# Altium PCB precursor_pvt2b.PcbDoc (part 6 of 7)
Units mm, origin at the board's own origin, x right, y up, seen from the top; angles counter-clockwise.
Board outline 62.8 x 62.65 mm, 6 copper layers (L1, L2, L3, L6, L7, L8), stack 0.693 mm thick; 424 components, 311 nets, 2038 pads, 2293 vias.
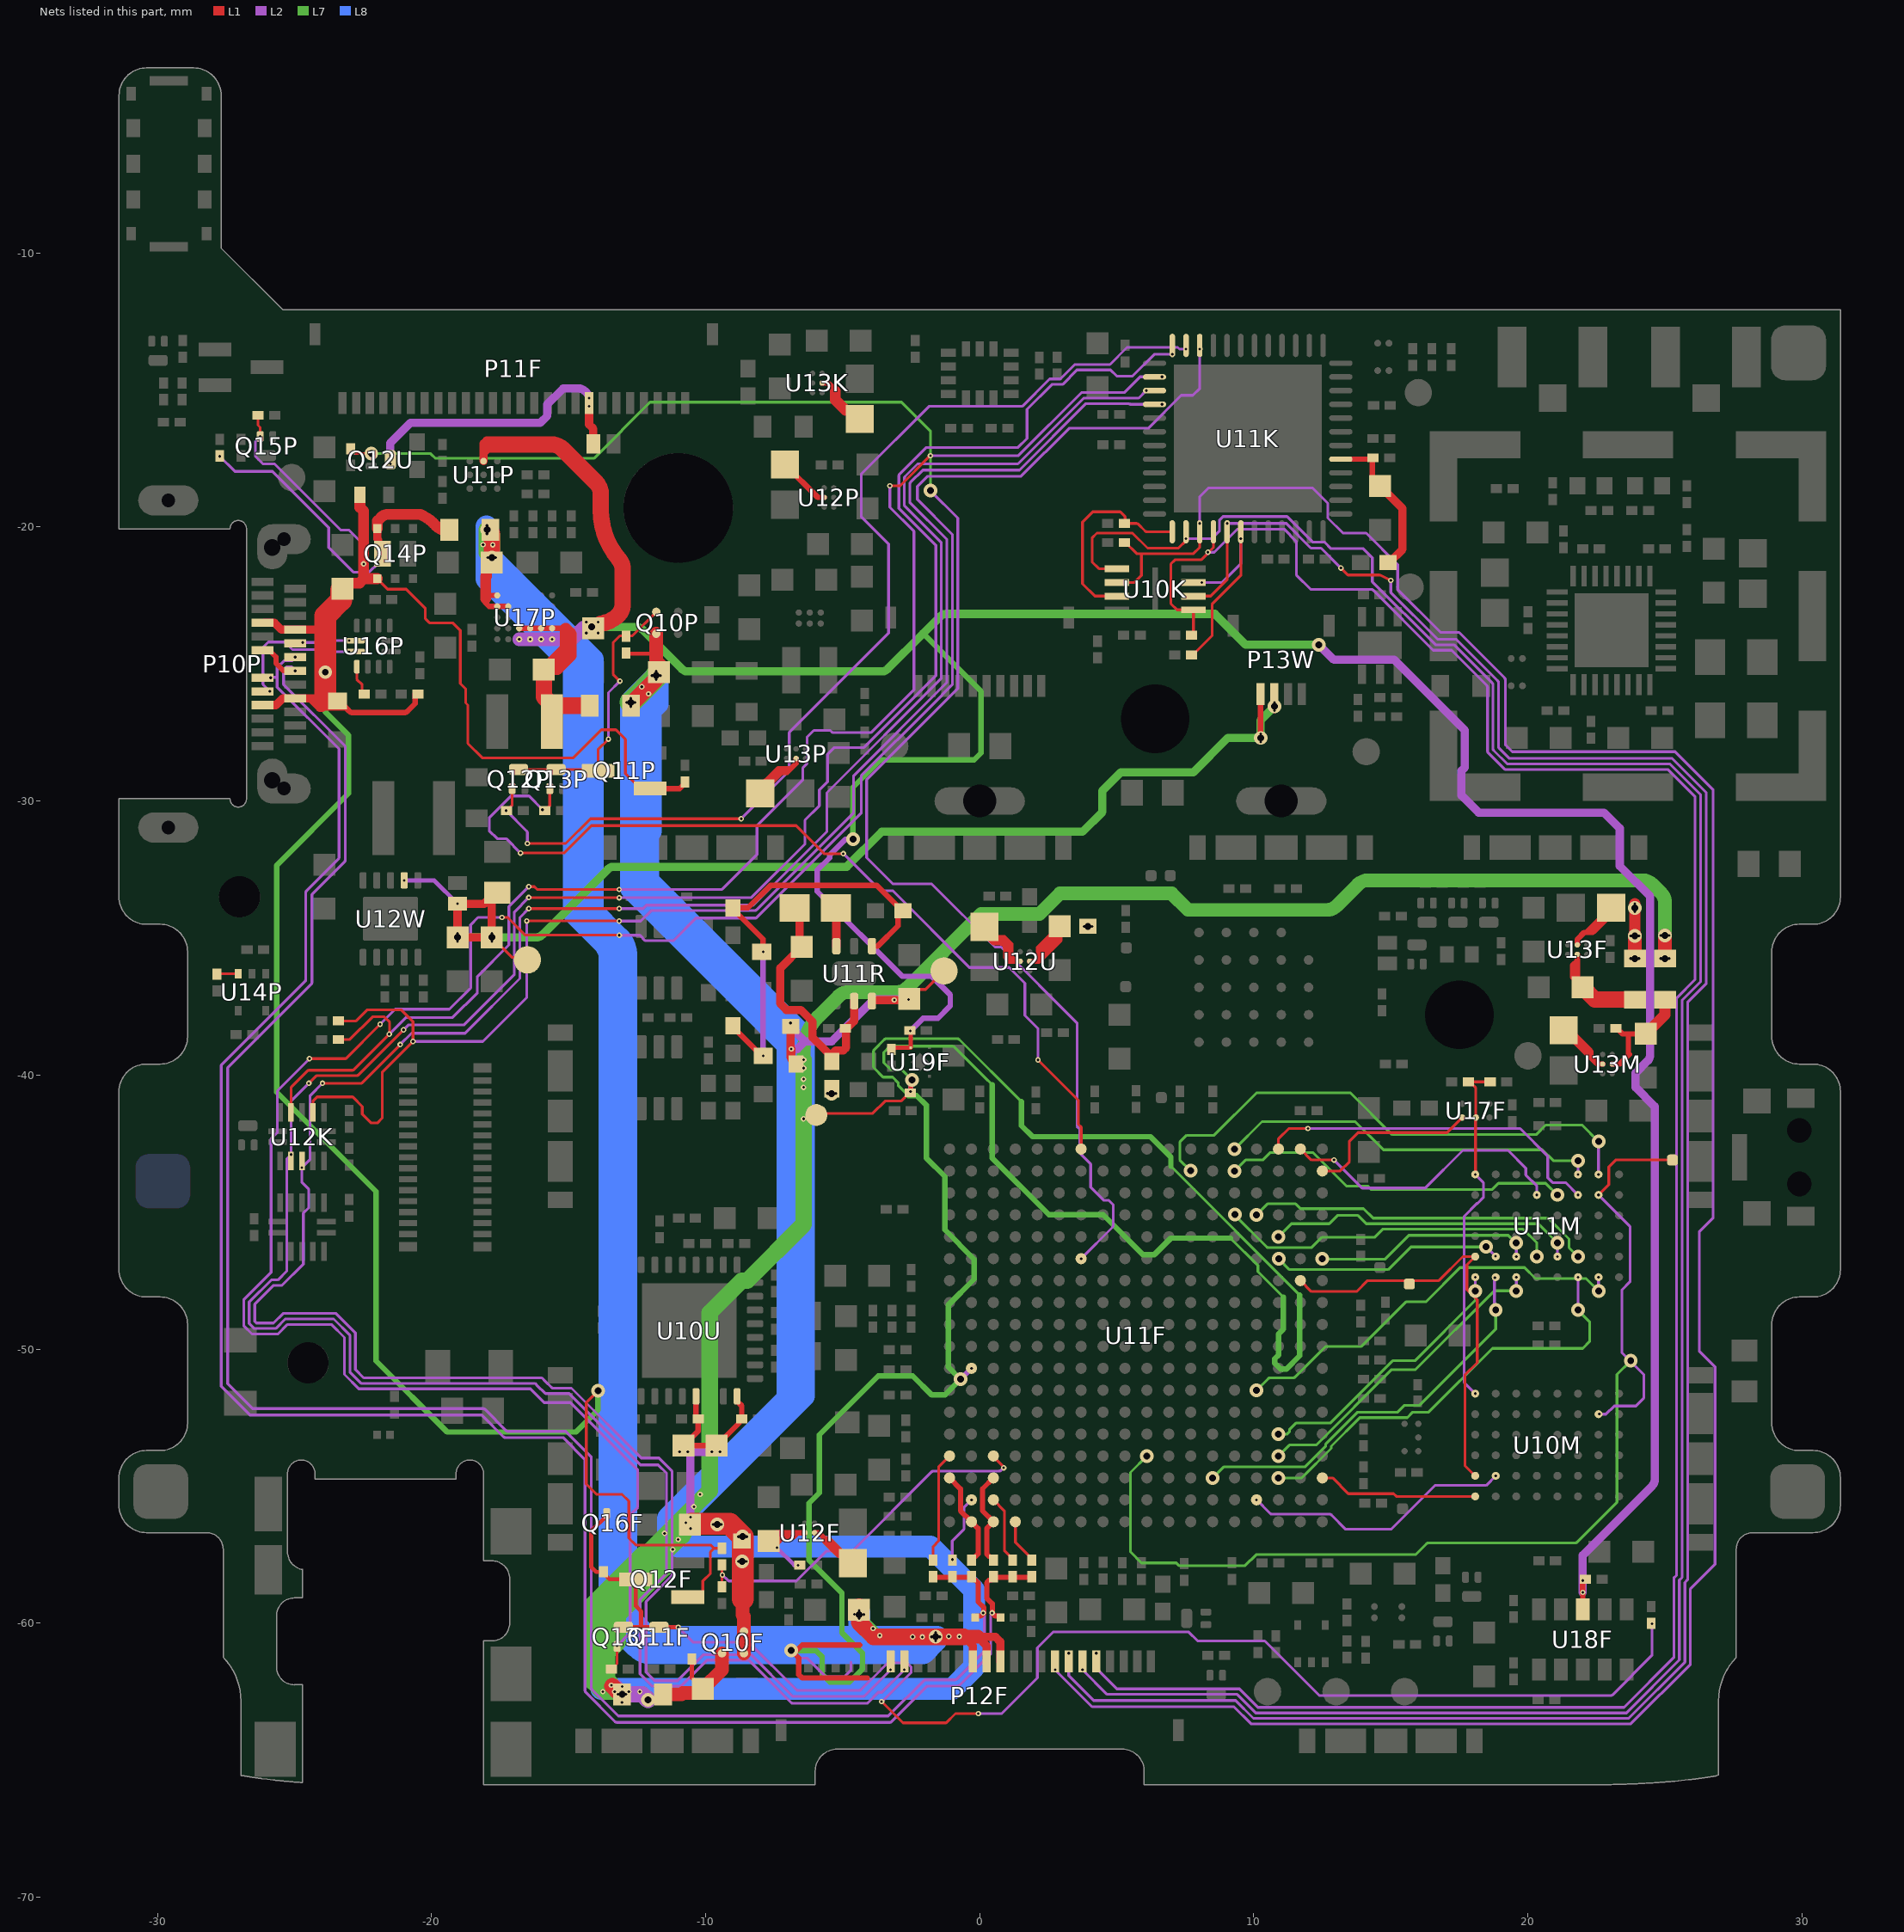
[diagram p10: the nets of this part, all layers, seen from the top]

## Via types
v1: diameter 0.2, hole 0.1, L1 to L2, tented both sides, 1440 vias
v2: diameter 0.5, hole 0.25, L2 to L7, tented both sides, 638 vias
v3: diameter 0.2, hole 0.1, L7 to L8, tented both sides, 179 vias
v4: diameter 0.5, hole 0.25, L1 to L8, 25 vias
v5: diameter 0.5, hole 0.25, L1 to L8, tented top, 5 vias
v6: diameter 0.5, hole 0.2, L1 to L8, 4 vias
v7: diameter 0.4, hole 0.25, L1 to L8, 2 vias

## Nets (pads, with @x,y where several pads share a name; then routed paths per layer and width w, separated by ;. In a path a pad name is that pad's centre, name@x,y a point inside that pad or via, vN(x,y) a via of type N, cw(c..) or ccw(c..) an arc to the next point about the centre after c; other vN are vias at no path point) (continued)
SRAM_D19: U11F.U18 U11M.D5 | length 10.8
  L1 w0.1: U11F.U18@11.7,-42.7 12.1,-43.1 v1(12.925,-43.1)
  L2 w0.1: v1(12.925,-43.1) 13.95,-44.125 16.25,-44.125 17.625,-42.75 19.275,-42.75 19.925,-43.4 19.925,-43.65 20.325,-44.05 v1(20.325,-44.375)
SRAM_D20: U11F.P17 U11M.E5 | length 12.9
  L7 w0.1: v2(9.3,-43.5) 9.7,-43.1 10.325,-43.1 10.6,-42.825 12.15,-42.825 13.375,-44.05 14.15,-44.05 14.275,-44.175 18.7,-44.175 18.925,-43.95 20.65,-43.95 v2(21.075,-44.375)
  other v1: 21.075,-44.375 9.3,-43.5
SRAM_D21: U11F.T18 U11M.F5 | length 12.9
  L1 w0.1: U11F.T18@10.9,-42.7 10.9,-42.325 11.275,-41.95 v1(11.975,-41.95)
  L2 w0.1: v1(11.975,-41.95) 12.525,-41.95 19.716,-41.95 20.725,-42.959 20.725,-43.75 20.9,-43.925 21.375,-43.925 v1(21.825,-44.375)
SRAM_D22: U11F.P18 U11M.F6 | length 14
  L2 w0.1: v1(21.825,-43.625) v2(21.825,-43.125)
  L7 w0.1: v2(9.3,-42.7) 10.3,-41.7 13.7,-41.7 14.725,-42.725 20.525,-42.725 20.925,-43.125 v2(21.825,-43.125)
  other v1: 9.3,-42.7
SRAM_D23: U11F.M17 U11M.G6 | length 19.5
  L2 w0.1: v1(22.575,-43.625) v2(22.575,-42.425)
  L7 w0.1: v2(7.7,-43.484) 7.684,-43.484 7.3,-43.1 7.3,-42.45 7.55,-42.2 8.55,-42.2 10.1,-40.65 13.525,-40.65 15.05,-42.175 20.3,-42.175 20.65,-41.825 21.975,-41.825 v2(22.575,-42.425)
  other v1: 7.7,-43.5
SRAM_D24: U11F.N3 U11M.B1 | length 14.5
  L2 w0.1: v1(18.794,-47.391) 18.775,-47.41 18.775,-48.525 v2(18.825,-48.575)
  L7 w0.1: v2(8.5,-54.7) 8.9,-54.3 11.866,-54.3 12.625,-53.541 12.625,-53.461 13.786,-52.3 15.25,-52.3 15.5,-52.05 16.05,-52.05 18.825,-49.275 v2(18.825,-48.575)
  other v1: 8.5,-54.7
SRAM_D25: U11F.T4 U11M.C1 | length 11.7
  L2 w0.1: v2(19.575,-47.875) v1(19.575,-47.375)
  L7 w0.1: v2(10.9,-53.9) 11.3,-53.5 12.275,-53.5 15.025,-50.75 15.9,-50.75 18.775,-47.875 v2(19.575,-47.875)
  other v1: 10.9,-53.9
SRAM_D26: U11F.V13 U11M.C2 | length 8.1
  L2 w0.1: v1(19.575,-46.625) v2(19.575,-46.125)
  L7 w0.1: v2(12.5,-46.7) 12.525,-46.725 14.775,-46.725 15.65,-45.85 19.284,-45.85 19.559,-46.125 v2(19.575,-46.125)
  other v1: 12.5,-46.7
SRAM_D27: U11F.P15 U11M.D2 | length 12.5
  L7 w0.1: v2(9.308,-45.092) 9.308,-45.108 10.471,-46.271 ccw(c10.541,-46.2) 10.541,-46.3 12.1,-46.3 12.475,-45.925 14.4,-45.925 14.7,-45.625 19.825,-45.625 20.325,-46.125 v2(20.325,-46.625)
  other v1: 20.325,-46.625 9.3,-45.1
SRAM_D28: U11F.T14 U11M.E2 | length 11.4
  L2 w0.1: v1(21.075,-46.625) v2(21.075,-46.125)
  L7 w0.1: v2(10.9,-45.9) 11.375,-45.425 12.75,-45.425 13.05,-45.125 13.8,-45.125 14.1,-45.425 20.375,-45.425 v2(21.075,-46.125)
  other v1: 10.9,-45.9
SRAM_D29: U11F.R15 U11M.F2 | length 12.9
  L7 w0.1: v2(10.1,-45.1) 10.5,-44.7 11.525,-44.7 11.7,-44.875 14,-44.875 14.35,-45.225 20.741,-45.225 21.5,-45.984 21.5,-46.3 v1(21.825,-46.625)
  other v1: 10.1,-45.1
  other v2: 21.825,-46.625
SRAM_D30: U11F.T3 U11M.F1 | length 16
  L2 w0.1: v2(21.825,-48.575) v1(21.825,-47.375)
  L7 w0.1: v2(10.9,-54.7) 11.749,-54.7 12.825,-53.624 12.825,-53.544 13.869,-52.5 15.6,-52.5 15.8,-52.3 16.381,-52.3 18.706,-49.975 22,-49.975 22.25,-49.725 22.25,-49 v2(21.825,-48.575)
  other v1: 10.9,-54.7
SRAM_D31: U11F.R7 U11M.G1 | length 15.2
  L2 w0.1: v2(22.575,-47.875) v1(22.575,-47.375)
  L7 w0.1: v1(10.1,-51.5) 10.52,-51.08 cw(c10.591,-51.15) 10.592,-51.05 11.434,-51.05 ccw(c11.434,-50.95) 11.504,-51.021 12.625,-49.9 13.925,-49.9 15.55,-48.275 16.275,-48.275 17.525,-47.025 19.875,-47.025 20.275,-47.425 22.125,-47.425 v2(22.575,-47.875)
  other v2: 10.1,-51.5
SRAM_DM0: U10M.A1 U11F.V3 | length 5.9
  L1 w0.1: U11F.V3@12.5,-54.7 12.875,-54.7 13.45,-55.275 15.1,-55.275 15.2,-55.375 U10M.A1@18.075,-55.375
SRAM_DM1: U10M.B2 U11F.R2 | length 10
  L2 w0.1: v1(10.1,-55.5) 10.596,-55.996 ccw(c10.666,-55.925) 10.666,-56.025 12.759,-56.025 cw(c12.759,-56.125) 12.829,-56.054 13.35,-56.575 15.006,-56.575 16.606,-54.975 18.475,-54.975 v1(18.825,-54.625)
SRAM_DM2: U11F.T5 U11M.A1 | length 10.1
  L2 w0.1: v2(18.075,-47.875) v1(18.075,-47.375)
  L7 w0.1: v2(10.9,-53.1) 11.217,-53.1 11.3,-53.017 11.3,-52.934 11.534,-52.7 12.791,-52.7 15.066,-50.425 15.875,-50.425 18.075,-48.225 v2(18.075,-47.875)
  other v1: 10.9,-53.1
SRAM_DM3: U11F.T13 U11M.B2 | length 8.6
  L2 w0.1: v2(18.471,-46.271) 18.807,-46.607 v1(18.821,-46.607)
  L7 w0.1: v2(10.916,-46.7) 10.916,-46.716 11.3,-47.1 14.9,-47.1 15.729,-46.271 v2(18.471,-46.271)
  other v1: 10.9,-46.7
SRAM_OE_N: J16M.1 U10M.A2 U11F.U12 U11M.A2 | length 15.7
  L1 w0.1: U11F.U12@11.7,-47.5 12.1,-47.9 13.75,-47.9 14.15,-47.5 16.75,-47.5 17.625,-46.625 U11M.A2@18.075,-46.625 17.775,-46.925 17.775,-47.825 18.15,-48.2 18.15,-50.5 17.7,-50.95 17.7,-54.25 U10M.A2@18.075,-54.625
SRAM_WE_N: J15M.1 U10M.G5 U11F.K4 U11M.G5 | length 42.5
  L1 w0.1: v1(22.575,-44.375) 22.95,-44 22.95,-43.35 23.2,-43.1 J15M.1@25.275,-43.1
  L2 w0.1: v1@22.575,-52.375 22.85,-52.375 23.15,-52.075 ; v1(22.575,-44.375) 23.725,-45.525 23.725,-47.55 23.425,-47.85 23.425,-50.125 24.225,-50.925 24.225,-51.791 23.941,-52.075 23.15,-52.075 ; v1(22.603,-52.363) 22.862,-52.363 23.15,-52.075
  L7 w0.1: v1(6.1,-53.9) 5.5,-54.5 5.5,-57.4 5.9,-57.8 7.167,-57.8 7.267,-57.9 9.683,-57.9 10.083,-57.5 15.9,-57.5 16.295,-57.105 cw(c16.366,-57.176) 16.366,-57.076 21.721,-57.076 ccw(c21.721,-56.976) 21.792,-57.047 23.25,-55.588 23.25,-50.925 v2(23.75,-50.425)
  other v2: 6.1,-53.9
SRAM_ZZ_N: U11F.V17 U17F.A1 | length 6.3
  L1 w0.1: U11F.V17@12.5,-43.5 13.15,-43.5 13.487,-43.163 13.487,-42.413 13.8,-42.1 17.05,-42.1 U17F.A1@17.6,-41.55
SRAM_ZZ_N_1.8: R10M.2 R12M.1 U10M.A6 U11M.A6 U17F.B1 | length 12.8
  L1 w0.1: R10M.2@17.85,-40.25 R10M.2@17.875,-40.25 ; v1(18.075,-43.625) 18.088,-43.612 18.088,-41.562 U17F.B1@18.1,-41.55 18.1,-40.475 R10M.2@17.875,-40.25 ; R12M.1@18.6,-40.25 R10M.2@17.875,-40.25
  L2 w0.1: v1(18.075,-51.625) 17.675,-51.225 17.675,-45.15 18.136,-44.689 18.157,-44.689 18.375,-44.471 18.375,-43.925 v1(18.075,-43.625)
SW_0.95V: L12F.1 U12F.B2 | length 3.3
  L1 w0.2: U12F.B2@-6.025,-56.7 -5.875,-56.7 -5.65,-56.925 ; -5.65,-56.925 -5.65,-57.025 -5.15,-57.525 -4.91,-57.525 L12F.1@-4.625,-57.81 -4.625,-57.805 -5.505,-56.925 -5.65,-56.925
SW_1.2V: L10K.1 U13K.B2 | length 2.1
  L1 w0.2: U13K.B2@-5.75,-14.75 -5.608,-14.75 cw(c-5.608,-14.95) -5.466,-14.809 -5.251,-15.024
  L1 w0.4: -5.267,-15.04 -5.267,-15.368 -4.891,-15.745 -4.685,-15.745 -4.375,-16.055 L10K.1@-4.375,-16.06
SW_1.8V: L11P.1 U12P.B2 | length 1.9
  L1 w0.2: L11P.1@-7.1,-17.725 -7.1,-17.73 -5.905,-18.925 U12P.B2@-5.675,-18.925
SW_1.8V_F: L13F.1 U13F.B2 | length 3.1
  L1 w0.2: U13F.B2@21.8,-35.25 21.8,-35.05 22.05,-34.8 22.13,-34.8 ; L13F.1@22.914,-34.016 22.722,-34.207 22.13,-34.8 ; L13F.1@23.035,-33.9 22.975,-33.96 ccw(c23.116,-34.102) 22.916,-34.102 22.916,-34.171 cw(c22.716,-34.171) 22.857,-34.313 22.429,-34.741 cw(c22.287,-34.6) 22.287,-34.8 22.13,-34.8
SW_1.8V_SBY: L10M.1 U13M.B2 | length 3.5
  L1 w0.2: U13M.B2@22.725,-39.6 22.613,-39.6 cw(c22.613,-39.4) 22.471,-39.541 22.297,-39.367 ; 22.297,-39.367 22.297,-39.213 ccw(c22.097,-39.213) 22.239,-39.072 21.736,-38.568 ccw(c21.594,-38.709) 21.594,-38.509 21.527,-38.509 cw(c21.527,-38.309) 21.386,-38.451 L10M.1@21.3,-38.365 21.3,-38.37 21.442,-38.512 21.607,-38.677 22.154,-39.224 22.297,-39.367
SW_3.3V: L12P.1 U13P.B2 | length 3.8
  L1 w0.2: L12P.1@-7.7,-29.415 -7.7,-29.175 ; U13P.B2@-6.7,-28.45 -6.7,-28.625 -6.9,-28.825 ; -7.7,-29.175 -7.834,-29.309 ccw(c-7.693,-29.451) -7.893,-29.451 -7.893,-29.608 L12P.1@-8.01,-29.725 -8.005,-29.725 -7.89,-29.61 -7.698,-29.418 -7.23,-28.95 -7.025,-28.95 -6.9,-28.825 ; -7.7,-29.175 -7.35,-28.825 -6.9,-28.825
SW_3.3VA: L12U.1 U12U.B2 | length 3.7
  L1 w0.2: L12U.1@0.175,-34.59 0.585,-35 0.9,-35 1.125,-35.225 1.125,-35.675 1.3,-35.85 ; L12U.1@0.25,-34.925 0.441,-35.116 ccw(c0.583,-34.975) 0.583,-35.175 0.75,-35.175 cw(c0.75,-35.375) 0.95,-35.375 0.95,-35.642 ccw(c1.15,-35.642) 1.009,-35.784 1.075,-35.85 1.3,-35.85 ; U12U.B2@1.475,-35.85 1.3,-35.85
SYS_OFF: Q10P.1 Q11P.3 Q12P.3 Q13P.3 R24P.1 | length 10.1
  L1 w0.1: Q12P.3@-16.825,-28.85 Q13P.3@-15.455,-28.85 -13.975,-28.85 Q11P.3@-13.925,-28.9 -13.925,-28.125 v1(-13.544,-27.744) ; v1(-13.125,-25.625) -13.375,-25.375 -13.375,-24.225 -13.125,-23.975 -12.9,-23.975 -12.675,-23.975 Q10P.1@-11.8,-23.1
  L2 w0.1: v1(-13.544,-27.744) -13.544,-26.044 v1(-13.125,-25.625)
SYS_ON: Q12P.1 R26P.2 U11K.47 | length 39.6
  L1 w0.1: R26P.2@-17.28,-30.35 -17.255,-30.35 -17.055,-30.15 Q12P.1@-17.055,-29.55 ; v1(-16.5,-31.55) -15.1,-31.55 -14.2,-30.65 v1(-8.7,-30.65)
  L2 w0.1: v1(-17.275,-30.35) -16.53,-31.095 cw(c-16.6,-31.166) -16.5,-31.166 ; v1(-16.5,-31.55) -16.5,-31.166 ; v1(-8.7,-30.65) -6.95,-28.9 -6.95,-27.5 -3.325,-23.875 -3.325,-20.625 -4.325,-19.625 -4.325,-18.075 -1.85,-15.6 1.55,-15.6 2.55,-14.6 2.941,-14.6 3.466,-14.075 4.75,-14.075 5.375,-13.45 7.225,-13.45 7.287,-13.512 v1(7.522,-13.512)
T_OFF: Q11F.3 Q12F.3 Q13F.3 Q16F.2 R29F.2 R36F.1 | length 52.7
  L1 w0.1: v1(-3.579,-62.861) -2.799,-63.641 -1.226,-63.641 -0.885,-63.3 v1(-0.05,-63.3)
  L1 w0.15: Q16F.2@-13.605,-56 -13.605,-56.075 -14.175,-56.645 -14.175,-57.95 -13.995,-58.13 R36F.1@-13.725,-58.13 -13.725,-58.175 -13.5,-58.4 Q12F.3@-12.55,-58.4 -12.55,-59.375 -12.35,-59.575 -12.35,-60.15 ; Q13F.3@-13,-60.15 -12.35,-60.15 ; v1(-11,-60.15) Q11F.3@-11.7,-60.15 -12.35,-60.15
  L2 w0.1: v1(-11,-60.15) -10.45,-60.7 -8.425,-60.7 -6.704,-62.421 ccw(c-6.634,-62.35) -6.634,-62.45 -4.391,-62.45 ccw(c-4.391,-62.35) -4.321,-62.421 -3.6,-61.7 -3.6,-61.696 -3.354,-61.45 -2.646,-61.45 -2.5,-61.596 -2.5,-61.804 -3.557,-62.861 v1(-3.579,-62.861) ; v1(-0.05,-63.3) 0.8,-63.3 2.1,-62 2.1,-60.9 2.675,-60.325 7.625,-60.325 7.95,-60.65 10.395,-60.65 12.387,-62.642 23.017,-62.642 ccw(c23.017,-62.542) 23.087,-62.613 24.525,-61.175 v1(24.525,-60.025)
T_TO_U_ON: Q13P.1 R29P.1 U11F.G18 | length 33.6
  L1 w0.1: v1(-16.75,-31.9) -15.167,-31.9 -14.167,-30.9 -6.7,-30.9 -5.675,-31.925 v1(-4.975,-31.925) ; R29P.1@-15.88,-30.35 -15.913,-30.317 v1(-15.95,-30.317) -15.893,-30.317 R29P.1@-15.86,-30.35 -15.855,-30.35 -15.685,-30.18 Q13P.1@-15.685,-29.55 ; v1(2.125,-39.45) 3.6,-40.925 3.6,-41.8 3.7,-41.9 U11F.G18@3.7,-42.7
  L2 w0.1: v1(-16.75,-31.9) -17.275,-31.375 -17.606,-31.375 -17.893,-31.088 -17.893,-30.615 -17.097,-29.818 -16.444,-29.818 -15.95,-30.313 v1(-15.95,-30.317) ; v1(-4.975,-31.925) -3.625,-33.275 -3.175,-33.275 -0.375,-36.075 1.075,-36.075 1.65,-36.65 1.65,-37.825 2.125,-38.3 v1(2.125,-39.45)
U_TO_T_ON: Q13F.1 R28F.2 U11K.46 | length 89
  L1 w0.1: v1(-24.45,-39.4) -23.125,-39.4 v1(-21.875,-38.15) ; v1(-17.429,-34.25) -17.225,-34.25 -16.58,-34.895 v1@-13.151,-34.895 ; R28F.2@-13.45,-61.675 -13.425,-61.675 -13.23,-61.48 Q13F.1@-13.23,-60.85
  L2 w0.1: v1@-24.446,-39.404 -25.625,-40.583 -25.625,-42.1 -25.85,-42.325 -25.85,-47.2 -26.85,-48.2 -26.85,-49.15 -26.55,-49.45 -25.6,-49.45 -25.25,-49.1 -23.65,-49.1 -23.175,-49.575 -23.175,-50.925 -22.65,-51.45 -16.394,-51.45 -15.894,-51.95 -14.934,-51.95 -12.475,-54.409 -12.475,-55.775 -12.75,-56.05 -12.75,-60.348 v1(-13.229,-60.827) ; v1(-21.875,-38.15) -21.325,-37.6 -19.35,-37.6 -18.575,-36.825 -18.575,-34.525 -18.3,-34.25 v1(-17.429,-34.25) ; v1(-13.15,-34.9) -12.398,-34.9 -12.198,-35.1 -11.175,-35.1 -10.35,-34.275 -8.191,-34.275 ccw(c-8.191,-34.175) -8.12,-34.245 -4.325,-30.45 -4.325,-29.085 -1.745,-26.505 -1.745,-26.503 -1,-25.758 -1,-20.272 -2.275,-18.997 -2.275,-18.525 -1.9,-18.15 1.509,-18.15 3.259,-16.4 6.15,-16.4 7.35,-15.2 7.775,-15.2 8.027,-14.948 v1(8.027,-13.507)
UP5K_CIPO: P12F.7 U10K.2 U11K.17 | length 83.2
  L1 w0.1: U10K.2@7.795,-22.525 8.425,-22.525 9.026,-21.924 U11K.17@9.026,-20.177 ; v1(13.175,-21.5) 13.403,-21.728 ccw(c13.473,-21.657) 13.473,-21.757 14.573,-21.757 cw(c14.573,-21.857) 14.616,-21.767 v1(15,-21.95)
  L2 w0.1: v1(3.25,-61.1) 3.25,-61.917 4.158,-62.825 9.334,-62.825 9.984,-63.475 23.674,-63.475 25.725,-61.424 25.725,-58.516 25.825,-58.416 25.825,-37.35 26.5,-36.675 26.5,-29.684 25.266,-28.45 19.325,-28.45 18.954,-28.079 cw(c19.025,-28.009) 18.925,-28.009 18.925,-25.684 ccw(c18.825,-25.684) 18.896,-25.613 17.383,-24.1 16.708,-24.1 15,-22.392 v1(15,-21.95) ; v1(9.025,-19.875) 11.183,-19.875 12.083,-20.775 12.45,-20.775 v1(13.175,-21.5)
UP5K_COPI: P12F.6 U10K.5 U11K.14 | length 86.6
  L1 w0.1: U10K.5@5.005,-21.525 4.35,-21.525 4.1,-21.275 4.1,-20.4 4.275,-20.225 5.575,-20.225 6.125,-20.775 7.253,-20.775 7.526,-20.502 U11K.14@7.526,-20.177
  L2 w0.1: v1(3.75,-61.7) 4.65,-62.6 9.392,-62.6 10.067,-63.275 23.591,-63.275 25.525,-61.341 25.525,-58.433 25.625,-58.333 25.625,-37.267 26.3,-36.592 26.3,-29.767 25.183,-28.65 19.242,-28.65 18.754,-28.162 cw(c18.825,-28.091) 18.725,-28.091 18.725,-25.766 ccw(c18.625,-25.766) 18.696,-25.696 17.3,-24.3 16.625,-24.3 14.325,-22 14.325,-21.125 13.994,-20.794 12.819,-20.794 12.575,-20.55 12.141,-20.55 11.212,-19.621 8.879,-19.621 8.742,-19.758 8.742,-20.158 8.475,-20.425 v1(7.525,-20.425)
UP5K_CSN: P12F.5 R11K.2 U10K.1 U11K.16 | length 84.7
  L1 w0.1: R11K.2@7.75,-23.95 7.795,-23.905 U10K.1@7.795,-23.025 7.2,-23.025 6.975,-22.8 6.975,-21.35 7.125,-21.2 8.075,-21.2 8.526,-20.749 U11K.16@8.526,-20.177
  L2 w0.1: v1(4.25,-61.1) 4.25,-61.65 5,-62.4 9.475,-62.4 10.15,-63.075 23.508,-63.075 25.325,-61.258 25.325,-58.35 25.425,-58.25 25.425,-37.184 26.1,-36.509 26.1,-29.85 25.1,-28.85 19.159,-28.85 18.554,-28.245 cw(c18.625,-28.174) 18.525,-28.174 18.525,-25.849 ccw(c18.425,-25.849) 18.496,-25.779 17.217,-24.5 16.542,-24.5 14.351,-22.309 ccw(c14.281,-22.38) 14.281,-22.28 12.08,-22.28 11.55,-21.75 11.55,-20.525 11.104,-20.079 9.404,-20.079 8.559,-20.925 v1(8.325,-20.925)
UP5K_DIO2: R10K.1 U10K.3 U11K.18 | length 7.9
  L1 w0.1: R10K.1@7.75,-24.675 7.775,-24.675 8.475,-23.975 8.475,-22.825 9.526,-21.774 U11K.18@9.526,-20.177
  L2 w0.1: v1(8.1,-22.025) 8.85,-22.025 9.525,-21.35 v1(9.525,-20.425)
UP5K_DIO3: R20K.1 U10K.7 U11K.13 | length 7.6
  L1 w0.1: U10K.7@5.005,-22.525 4.2,-22.525 3.75,-22.075 3.75,-19.825 4.125,-19.45 5.125,-19.45 5.3,-19.625 5.3,-19.875 5.716,-19.875 cw(c5.716,-19.975) 5.788,-19.905 6.031,-20.148 ccw(c6.102,-20.077) 6.102,-20.177 U11K.13@7.026,-20.177
UP5K_KEYCOL0: P12F.19 U11K.48 U12K.9 | length 99.8
  L1 w0.1: v1(-24.475,-40.3) -24.2,-40.025 -22.739,-40.025 ccw(c-22.739,-39.925) -22.668,-39.995 v1(-21.021,-38.349) ; v1(-16.45,-33.525) v1@-13.151,-33.525
  L2 w0.1: v1(-24.475,-40.3) -25.125,-40.95 v1(-25.125,-42.9) -25.275,-43.05 -25.275,-47.144 -25.606,-47.475 -25.842,-47.475 -26.65,-48.283 -26.65,-49.067 -26.467,-49.25 -25.683,-49.25 -25.333,-48.9 -23.567,-48.9 -22.975,-49.492 -22.975,-50.842 -22.567,-51.25 -16.225,-51.25 -16.121,-51.354 -15.879,-51.596 ccw(c-15.809,-51.525) -15.809,-51.625 -14.976,-51.625 -12.376,-54.225 -11.733,-54.225 -11.425,-54.533 -11.425,-58.175 -12.393,-59.143 -12.393,-61.853 -11.945,-62.3 -10.941,-62.3 ccw(c-10.941,-62.2) -10.871,-62.271 -9.95,-61.35 -8.425,-61.35 -6.879,-62.896 ccw(c-6.809,-62.825) -6.809,-62.925 -4.141,-62.925 ccw(c-4.141,-62.825) -4.071,-62.896 -3.7,-62.525 -3.575,-62.525 v1(-2.75,-61.7) ; v1(-21.021,-38.349) -20.848,-38.175 -18.825,-38.175 -16.976,-36.326 -16.976,-34.051 v1(-16.45,-33.525) ; v1@-13.151,-33.525 -8.325,-33.525 -6.375,-31.575 -6.375,-30.7 -5.85,-30.175 -5.85,-29.6 -5.55,-29.3 -5.55,-28.3 -5.3,-28.05 -4.225,-28.05 -1.6,-25.425 -1.6,-20.675 -2.95,-19.325 -2.95,-18.141 cw(c-2.85,-18.141) -2.921,-18.071 -1.95,-17.1 1.4,-17.1 1.725,-16.775 1.725,-15.708 2.633,-14.8 3.024,-14.8 3.549,-14.275 4.775,-14.275 5,-14.5 5.575,-14.5 6.372,-13.703 v1(7.028,-13.703)
  other v1: -13.151,-33.53
UP5K_KEYCOL1: P12F.20 U11K.3 U12K.10 | length 95.7
  L1 w0.1: v1(-23.975,-40.3) -22.547,-40.3 -21.142,-38.895 v1(-21.142,-38.888) ; v1(-16.45,-33.925) v1@-13.151,-33.925
  L2 w0.1: v1(-23.975,-40.3) -24.427,-40.752 -24.427,-41.347 -24.427,-43.035 cw(c-24.527,-43.035) -24.456,-43.106 v1(-24.725,-43.375) -24.725,-43.925 -24.475,-44.175 -24.475,-44.837 -24.675,-45.037 -24.675,-46.9 -25.45,-47.675 -25.759,-47.675 -26.45,-48.366 -26.45,-48.984 -26.384,-49.05 -25.766,-49.05 -25.416,-48.7 -23.484,-48.7 -22.775,-49.409 -22.775,-50.75 -22.475,-51.05 -15.974,-51.05 -15.838,-51.186 -15.628,-51.396 ccw(c-15.557,-51.325) -15.557,-51.425 -14.894,-51.425 -12.344,-53.975 -11.7,-53.975 -11.225,-54.45 -11.225,-58.275 -12.17,-59.22 -12.17,-61.793 -11.863,-62.1 -11.025,-62.1 -10.075,-61.15 -8.342,-61.15 -6.846,-62.646 ccw(c-6.776,-62.575) -6.776,-62.675 -4.266,-62.675 ccw(c-4.266,-62.575) -4.196,-62.646 v1(-3.25,-61.7) ; v1(-21.142,-38.888) -20.729,-38.475 -18.775,-38.475 -16.776,-36.476 -16.776,-34.251 v1(-16.45,-33.925) ; v1(-13.151,-33.93) -12.285,-33.93 -12.155,-33.8 -8.258,-33.8 -5.575,-31.117 -5.575,-29.7 -1.4,-25.525 -1.4,-20.576 -2.75,-19.226 -2.75,-18.224 cw(c-2.65,-18.224) -2.721,-18.154 -2.267,-17.7 1.394,-17.7 3.794,-15.3 5.8,-15.3 v1(6.075,-15.025)
UP5K_KEYROW0: R25K.1 U11K.4 U12K.2 | length 56.2
  L1 w0.1: U12K.2@-24.325,-41.36 -24.325,-40.95 -24.175,-40.8 -22.875,-40.8 -22.525,-41.15 -22.525,-41.425 -22.2,-41.75 -21.975,-41.75 -21.8,-41.575 -21.8,-39.9 v1(-20.675,-38.775) -20.675,-38.05 -21.1,-37.625 -22.35,-37.625 -22.75,-38.025 R25K.1@-23.395,-38.025 ; v1@-16.526,-34.375 v1@-13.151,-34.375